# Altium PCB Yun75.PcbDoc (part 3 of 3)
Units mm, origin at the board's own origin, x right, y up, seen from the top; angles counter-clockwise.
Board outline 323.85 x 152.5 mm, 2 copper layers (Top Layer, Bottom Layer); 403 components, 242 nets, 1450 pads, 87 vias.
Unrouted connection lines stored in the file: 215.
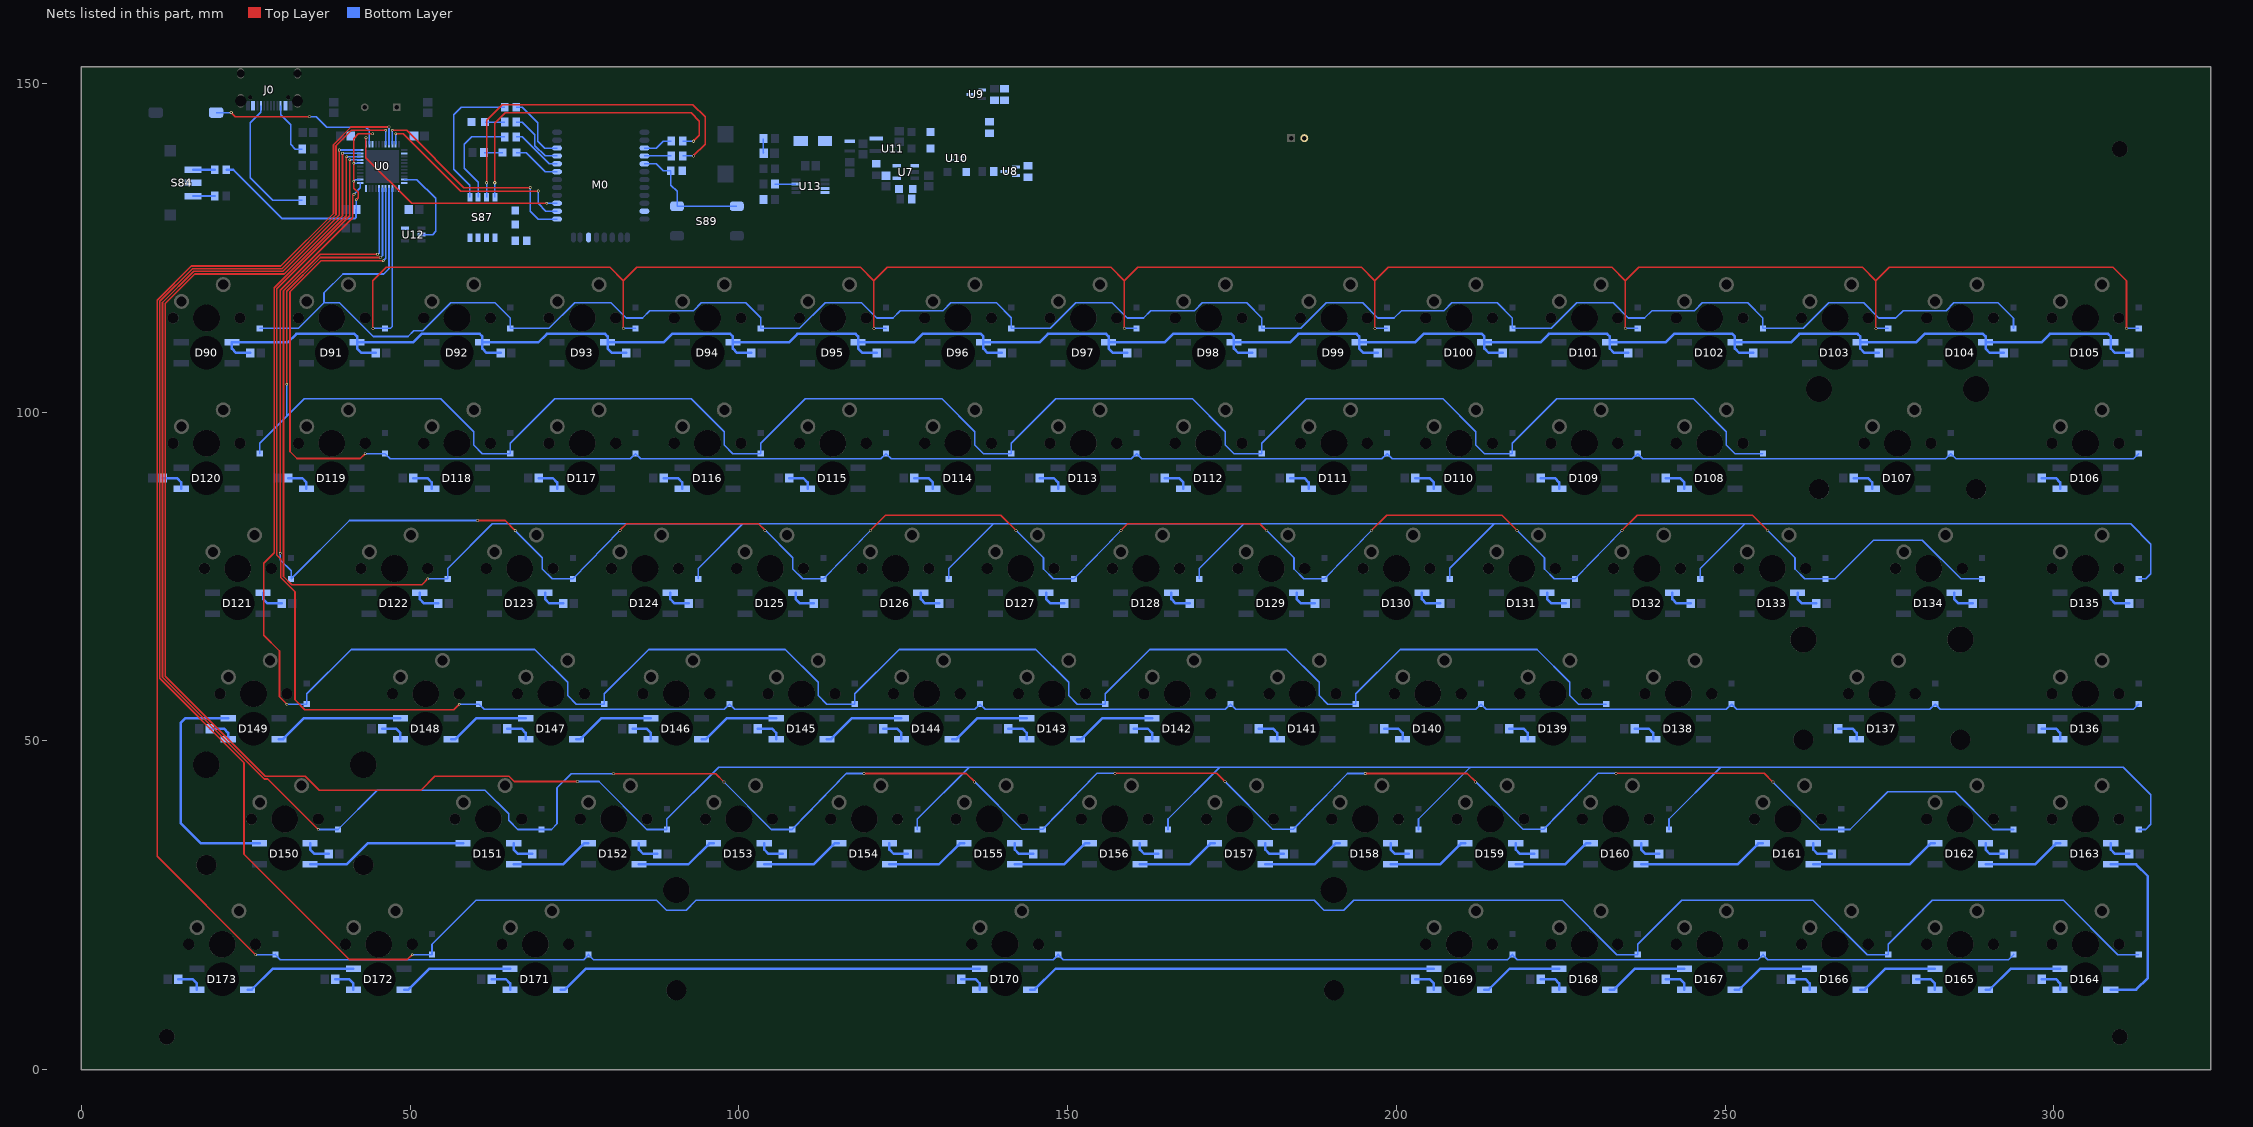
[diagram p3: the nets of this part, all layers, seen from the top]

## Via types
v1: diameter 0.45, hole 0.3, Top Layer to Bottom Layer, 30 vias
v2: diameter 0.4, hole 0.25, Top Layer to Bottom Layer, 24 vias
v3: diameter 0.508, hole 0.254, Top Layer to Bottom Layer, 10 vias
v4: diameter 0.559, hole 0.381, Top Layer to Bottom Layer, 10 vias
v5: diameter 0.4, hole 0.275, Top Layer to Bottom Layer, 10 vias
v6: diameter 1.5, hole 1, Top Layer to Bottom Layer, 3 vias

## Nets (pads, with @x,y where several pads share a name; then routed paths per layer and width w, separated by ;. In a path a pad name is that pad's centre, name@x,y a point inside that pad or via, vN(x,y) a via of type N, cw(c..) or ccw(c..) an arc to the next point about the centre after c; other vN are vias at no path point) (continued)
NetD142_2: D142.2 D143.4 | length 12.7
  Bottom Layer w0.381: D143.4@151.488,50.25 152.138,50.25 155.338,53.45 D142.2@162.838,53.45
NetD143_2: D143.2 D144.4 | length 12.7
  Bottom Layer w0.381: D144.4@132.438,50.25 133.088,50.25 136.288,53.45 D143.2@143.788,53.45
NetD144_2: D144.2 D145.4 | length 12.7
  Bottom Layer w0.381: D145.4@113.388,50.25 114.038,50.25 117.238,53.45 D144.2@124.738,53.45
NetD145_2: D145.2 D146.4 | length 12.7
  Bottom Layer w0.381: D146.4@94.338,50.25 94.988,50.25 98.188,53.45 D145.2@105.688,53.45
NetD146_2: D146.2 D147.4 | length 12.7
  Bottom Layer w0.381: D147.4@75.288,50.25 75.938,50.25 79.138,53.45 D146.2@86.638,53.45
NetD147_2: D147.2 D148.4 | length 12.7
  Bottom Layer w0.381: D148.4@56.238,50.25 56.888,50.25 60.088,53.45 D147.2@67.588,53.45
NetD148_2: D148.2 D149.4 | length 19.8
  Bottom Layer w0.381: D149.4@30.044,50.25 30.694,50.25 33.894,53.45 D148.2@48.538,53.45
NetD149_2: D149.2 D150.4 | length 36
  Bottom Layer w0.381: D149.2@22.344,53.45 15.85,53.45 15.1,52.7 15.1,37.5 18.2,34.4 D150.4@27.106,34.4
NetD150_2: D150.2 D151.4 | length 24.6
  Bottom Layer w0.381: D150.2@34.806,31.2 40.342,31.2 43.542,34.4 D151.4@58.062,34.4
NetD151_2: D151.2 D152.4 | length 12.7
  Bottom Layer w0.381: D151.2@65.762,31.2 73.262,31.2 76.462,34.4 D152.4@77.112,34.4
NetD152_2: D152.2 D153.4 | length 12.7
  Bottom Layer w0.381: D152.2@84.812,31.2 92.312,31.2 95.512,34.4 D153.4@96.162,34.4
NetD153_2: D153.2 D154.4 | length 12.7
  Bottom Layer w0.381: D153.2@103.862,31.2 111.362,31.2 114.562,34.4 D154.4@115.212,34.4
NetD154_2: D154.2 D155.4 | length 12.7
  Bottom Layer w0.381: D154.2@122.912,31.2 130.412,31.2 133.612,34.4 D155.4@134.262,34.4
NetD155_2: D155.2 D156.4 | length 12.7
  Bottom Layer w0.381: D155.2@141.962,31.2 149.462,31.2 152.662,34.4 D156.4@153.312,34.4
NetD156_2: D156.2 D157.4 | length 12.7
  Bottom Layer w0.381: D156.2@161.012,31.2 168.512,31.2 171.712,34.4 D157.4@172.362,34.4
NetD157_2: D157.2 D158.4 | length 12.7
  Bottom Layer w0.381: D157.2@180.062,31.2 187.562,31.2 190.762,34.4 D158.4@191.412,34.4
NetD158_2: D158.2 D159.4 | length 12.7
  Bottom Layer w0.381: D158.2@199.112,31.2 206.612,31.2 209.812,34.4 D159.4@210.462,34.4
NetD159_2: D159.2 D160.4 | length 12.7
  Bottom Layer w0.381: D159.2@218.162,31.2 225.662,31.2 228.862,34.4 D160.4@229.512,34.4
NetD160_2: D160.2 D161.4 | length 19.8
  Bottom Layer w0.381: D160.2@237.212,31.2 251.856,31.2 255.056,34.4 D161.4@255.706,34.4
NetD161_2: D161.2 D162.4 | length 19.8
  Bottom Layer w0.381: D161.2@263.406,31.2 278.05,31.2 281.25,34.4 D162.4@281.9,34.4
NetD162_2: D162.2 D163.4 | length 12.7
  Bottom Layer w0.381: D162.2@289.6,31.2 297.1,31.2 300.3,34.4 D163.4@300.95,34.4
NetD163_2: D163.2 D164.4 | length 28.2
  Bottom Layer w0.381: D164.4@308.65,12.15 312.5,12.15 314.3,13.95 314.3,29.4 312.5,31.2 D163.2@308.65,31.2
NetD164_2: D164.2 D165.4 | length 12.7
  Bottom Layer w0.381: D165.4@289.6,12.15 290.25,12.15 293.45,15.35 D164.2@300.95,15.35
NetD165_2: D165.2 D166.4 | length 12.7
  Bottom Layer w0.381: D166.4@270.55,12.15 271.2,12.15 274.4,15.35 D165.2@281.9,15.35
NetD166_2: D166.2 D167.4 | length 12.7
  Bottom Layer w0.381: D167.4@251.5,12.15 252.15,12.15 255.35,15.35 D166.2@262.85,15.35
NetD167_2: D167.2 D168.4 | length 12.7
  Bottom Layer w0.381: D168.4@232.45,12.15 233.1,12.15 236.3,15.35 D167.2@243.8,15.35
NetD168_2: D168.2 D169.4 | length 12.7
  Bottom Layer w0.381: D169.4@213.4,12.15 214.05,12.15 217.25,15.35 D168.2@224.75,15.35
NetD169_2: D169.2 D170.4 | length 62.7
  Bottom Layer w0.381: D170.4@144.344,12.15 144.994,12.15 148.194,15.35 D169.2@205.7,15.35
NetD170_2: D170.2 D171.4 | length 65.1
  Bottom Layer w0.381: D171.4@72.906,12.15 73.556,12.15 76.756,15.35 D170.2@136.644,15.35
NetD171_2: D171.2 D172.4 | length 17.4
  Bottom Layer w0.381: D172.4@49.094,12.15 49.744,12.15 52.944,15.35 D171.2@65.206,15.35
NetD172_2: D172.2 D173.4 | length 17.4
  Bottom Layer w0.381: D173.4@25.281,12.15 25.931,12.15 29.131,15.35 D172.2@41.394,15.35
NetD178_2: D178.2 R13.2
NetD179_2: D179.2 R19.2 | length 2.8
  Bottom Layer w0.203: R19.2@61.25,139.45 D179.2@64.075,139.45
NetD180_2: D180.2 R12.2 | length 3
  Bottom Layer w0.203: D180.2@61.425,144.1 R12.2@64.425,144.1
NetD181_2: D181.2 R26.2
NetD184_1: D184.1 U10.1
NetD185_2: D185.2 L1.1 U13.8
NetJ0_3: J0.3 R4.2 | length 21
  Bottom Layer w0.203: J0.3@27.325,146.6 27.325,145.625 25.685,143.985 25.685,135.606 29.091,132.2 R4.2@33.625,132.2
NetJ0_9: J0.9 R5.2 | length 8.6
  Bottom Layer w0.203: J0.9@30.325,146.6 30.325,145.2 31.825,143.7 31.825,140.7 32.525,140 R5.2@33.625,140
NetL0_1: L0.1 U11.2
NetM0_5: M0.5 R18.2 S89.3 S89.4 | length 19.3
  Bottom Layer w0.203: M0.5@85.65,137.75 87.46,137.75 88.51,136.7 R18.2@89.675,136.7 89.675,134.49 90.6,133.565 S89.3@90.6,131.3 S89.4@99.7,131.3
NetR0_2: R0.2 S84.3 | length 3.3
  Bottom Layer w0.305: S84.3@17,132.85 R0.2@20.3,132.85
NetR14_2: R14.2 S87.5 | length 21.8
  Bottom Layer w0.203: S87.5@59.095,132.675 59.095,134.5 56.654,136.941 56.654,145.25 57.754,146.35 R14.2@64.425,146.35
NetR15_2: R15.2 S87.6 | length 15.6
  Bottom Layer w0.203: S87.6@60.365,132.675 60.365,134.935 58.25,137.05 58.25,140.75 59.35,141.85 R15.2@64.425,141.85
NetR16_2: R16.2 S87.7 | length 55
  Top Layer w0.203: v3(61.635,134.85) 61.635,144.385 64,146.75 93,146.75 94.865,144.885 94.865,140.71 v3(93.105,138.95)
  Bottom Layer w0.203: S87.7@61.635,132.675 v3(61.635,134.85) ; R16.2@91.45,138.95 v3(93.105,138.95)
NetR17_2: R17.2 S87.8 | length 48.6
  Top Layer w0.203: v3(62.905,134.85) 62.905,143.905 64.5,145.5 92.75,145.5 94,144.25 94,142.095 v3(93.105,141.2)
  Bottom Layer w0.203: S87.8@62.905,132.675 v3(62.905,134.85) ; R17.2@91.45,141.2 v3(93.105,141.2)
NetR21_1: R21.1 U9.3
NetR21_2: R21.2 R31.1 U8.1
NetR22_2: R22.2 U8.3 U10.4
NetR23_1: R23.1 R24.2 U9.1
NetR25_2: R25.2 U7.5
NetR32_2: R32.2 U13.3 | length 3.2
  Bottom Layer w0.203: R32.2@105.5,134.655 U13.3@108.69,134.655
NetR36_2: R36.2 S84.1 | length 3.3
  Bottom Layer w0.305: S84.1@17,136.85 R36.2@20.3,136.85
NetS84_2: S84.2 U0.33
NetS88_2: S88.2 U0.13 | length 26.6
  Top Layer w0.203: v3(22.8,145.55) 23.404,144.946 v3(34.7,144.946)
  Bottom Layer w0.203: S88.2@20.505,145.55 v3(22.8,145.55) ; v3(34.7,144.946) 35.7,144.946 37.296,143.35 43.3,143.35 43.8,142.85 U0.13@43.8,140.7
PIO2: D179.1 M0.19 | length 7.4
  Bottom Layer w0.203: D179.1@66.175,139.45 67.65,139.45 70.55,136.55 M0.19@72.35,136.55
PIO3: M0.20 R15.1 | length 7.9
  Bottom Layer w0.203: R15.1@66.175,141.85 67.05,141.85 71.15,137.75 M0.20@72.35,137.75
PIO4: M0.22 R14.1 | length 10.4
  Bottom Layer w0.203: R14.1@66.175,146.35 67.05,146.35 69.4,144 69.4,141.2 70.45,140.15 M0.22@72.35,140.15
PIO5: M0.21 R12.1 | length 9.3
  Bottom Layer w0.203: R12.1@66.175,144.1 67.1,144.1 69,142.2 69,140.5 70.55,138.95 M0.21@72.35,138.95
PIO6: M0.3 R17.1 | length 4.5
  Bottom Layer w0.203: M0.3@85.65,140.15 87.46,140.15 88.51,141.2 R17.1@89.7,141.2
PIO7: M0.4 R16.1 | length 4
  Bottom Layer w0.203: M0.4@85.65,138.95 R16.1@89.7,138.95
PIO8: M0.31 R13.1
RGB: U0.32 U12.2 | length 13.3
  Bottom Layer w0.203: U0.32@49.15,135.35 51.053,135.35 53.897,132.506 53.897,127.476 53.421,127 U12.2@51.755,127
Row0: D0.2 D2.2 D4.2 D6.2 D8.2 D10.2 D12.2 D14.2 U0.37 | length 336.6
  Bottom Layer w0.254: D0.2@27.146,112.725 33.04,112.725 36.924,116.609 ; U0.37@46.8,134 46.8,121.775 46.025,121 39.8,121 36.924,118.124 36.924,116.609 ; D14.2@293.821,112.725 D14.2@293.846,112.725 293.846,114.275 291.512,116.609 284.794,116.609 283.605,115.42 281.145,115.42 281.137,115.428 277.075,115.428 275.948,114.3 273.375,114.3 271.066,116.609 265.744,116.609 261.86,112.725 D12.2@255.746,112.725 255.746,114.301 253.438,116.609 246.53,116.609 245.341,115.42 243.045,115.42 243.037,115.428 238.872,115.428 237.744,114.3 235.275,114.3 232.966,116.609 227.424,116.609 223.54,112.725 D10.2@217.646,112.725 217.646,114.301 215.338,116.609 208.43,116.609 207.241,115.42 204.945,115.42 204.937,115.428 200.772,115.428 199.644,114.3 197.175,114.3 194.866,116.609 189.324,116.609 185.44,112.725 D8.2@179.546,112.725 179.546,114.3 177.237,116.609 170.494,116.609 169.305,115.42 166.845,115.42 166.837,115.428 162.672,115.428 161.544,114.3 159.075,114.3 156.766,116.609 151.224,116.609 147.34,112.725 D6.2@141.446,112.725 141.446,114.354 139.191,116.609 132.23,116.609 131.041,115.42 128.745,115.42 128.737,115.428 124.572,115.428 123.444,114.3 120.975,114.3 118.666,116.609 113.124,116.609 109.24,112.725 D4.2@103.346,112.725 103.321,112.725 103.321,114.325 101.037,116.609 94.294,116.609 93.105,115.42 90.645,115.42 90.637,115.428 86.472,115.428 85.344,114.3 82.875,114.3 80.566,116.609 75.024,116.609 71.14,112.725 D2.2@65.246,112.725 65.221,112.725 65.221,114.3 62.912,116.609 56.194,116.609 51.952,112.368 50.556,112.368 49.689,111.5 44.385,111.5 39.276,116.609 36.924,116.609
Row1: D1.2 D3.2 D5.2 D7.2 D9.2 D11.2 D13.2 D15.2 U0.36 | length 373.6
  Top Layer w0.254: v1(44.331,112.725) 44.331,119.969 46.362,122 80.4,122 82.431,119.969 ; v1(82.431,112.725) 82.431,119.969 ; v1(120.531,112.725) 120.531,119.969 ; v1(158.631,112.725) 158.631,119.969 ; v1(196.731,112.725) 196.731,119.969 ; v1(234.831,112.725) 234.831,119.969 ; v1(272.931,112.725) 272.931,119.969 ; v1(311.031,112.725) 311.031,119.969 309,122 274.962,122 272.931,119.969 ; 82.431,119.969 84.462,122 118.5,122 120.531,119.969 ; 120.531,119.969 122.562,122 156.6,122 158.631,119.969 ; 158.631,119.969 160.662,122 194.7,122 196.731,119.969 ; 196.731,119.969 198.762,122 232.8,122 234.831,119.969 ; 234.831,119.969 236.862,122 270.9,122 272.931,119.969
  Bottom Layer w0.254: v1(44.331,112.725) D1.2@46.196,112.725 47.025,112.725 47.3,113 U0.36@47.3,134 ; v1(82.431,112.725) D3.2@84.296,112.725 ; v1(120.531,112.725) D5.2@122.396,112.725 ; v1(158.631,112.725) D7.2@160.496,112.725 ; v1(196.731,112.725) D9.2@198.596,112.725 ; v1(234.831,112.725) D11.2@236.696,112.725 ; v1(272.931,112.725) D13.2@274.796,112.725 ; v1(311.031,112.725) D15.2@312.896,112.725
Row2: D16.2 D18.2 D20.2 D22.2 D24.2 D26.2 D28.2 U0.39 | length 328.6
  Top Layer w0.254: v5(31.25,104.226) 31.25,118.357 36.393,123.5 v2(45.5,123.5)
  Bottom Layer w0.254: D16.2@27.146,93.675 27.146,95.25 31.25,99.354 ; v5(31.25,104.226) 31.25,99.354 ; v2(45.5,123.5) 45.8,123.8 U0.39@45.8,134 ; D22.2@141.446,93.675 137.199,93.675 135.889,94.985 135.889,97 130.889,102 110.096,102 103.346,95.25 D20.2@103.346,93.675 99.1,93.675 97.79,94.985 97.79,97 92.79,102 71.996,102 65.246,95.25 D18.2@65.246,93.675 61,93.675 59.69,94.985 59.69,97 54.69,102 33.896,102 31.25,99.354 ; D22.2@141.446,93.675 141.446,95.25 148.196,102 168.99,102 173.99,97 173.99,94.985 175.3,93.675 D24.2@179.546,93.675 179.546,95.25 186.296,102 207.09,102 212.09,97 212.09,94.985 213.4,93.675 D26.2@217.646,93.675 217.646,95.25 224.396,102 245.19,102 250.19,97 250.19,94.985 251.5,93.675 D28.2@255.746,93.675
Row3: D17.2 D19.2 D21.2 D23.2 D25.2 D27.2 D29.2 D30.2 U0.38 | length 338.1
  Top Layer w0.254: v5@43.135,93.7 43.141,93.7 43.166,93.675 v5(43.18,93.675) 42.446,92.941 32.809,92.941 31.75,94 31.75,118.285 36.465,123 v2(45.909,123)
  Bottom Layer w0.254: v5(43.18,93.675) D17.2@46.196,93.675 46.993,92.878 83.498,92.878 D19.2@84.296,93.675 85.093,92.878 121.598,92.878 D21.2@122.396,93.675 123.193,92.878 159.698,92.878 D23.2@160.496,93.675 161.293,92.878 197.798,92.878 D25.2@198.596,93.675 199.393,92.878 235.898,92.878 D27.2@236.696,93.675 237.493,92.878 283.523,92.878 D29.2@284.321,93.675 285.118,92.878 312.098,92.878 D30.2@312.896,93.675 ; v2(45.909,123) 46.3,123.391 U0.38@46.3,134
Row4: D31.2 D33.2 D35.2 D37.2 D39.2 D41.2 D43.2 D44.2 U0.1 | length 379.6
  Top Layer w0.254: v5(30.25,78.5) 30.25,118.5 41.3,129.55 41.3,132.955 v2(41.474,133.129) ; v1(60.275,83.5) 64.455,83.5 v1(66,81.955) ; v1(81.915,82) 82.915,83 103,83 v1(104,82) ; v1(120.015,82) 122.315,84.3 139.855,84.3 v1(142.155,82) ; v1(158.115,82) 159.115,83 179.2,83 v1@180.2,82 ; v1(196.215,82) 198.515,84.3 216.055,84.3 v1(218.355,82) ; v1(234.315,82) 236.615,84.3 254.155,84.3 v1(256.455,82)
  Bottom Layer w0.254: v5(30.25,78.5) 30.25,77.5 31.908,75.842 D31.2@31.908,74.625 40.783,83.5 v1(60.275,83.5) ; v2(41.474,133.129) 41.474,133.114 42.45,134.089 U0.1@42.45,134.85 ; v1(66,81.955) 70.125,77.83 70.125,76.13 71.63,74.625 D33.2@74.771,74.625 v1(81.915,82) ; v1(104,82) 104.055,82 108.225,77.83 108.225,76.13 109.73,74.625 D35.2@112.871,74.625 v1(120.015,82) ; v1(142.155,82) 146.325,77.83 146.325,76.13 147.83,74.625 D37.2@150.971,74.625 v1(158.115,82) ; v1(180.255,82) 184.425,77.83 184.425,76.13 185.93,74.625 D39.2@189.071,74.625 v1(196.215,82) ; v1(218.355,82) 222.525,77.83 222.525,76.13 224.03,74.625 D41.2@227.171,74.625 v1(234.315,82) ; v1(256.455,82) 260.625,77.83 260.625,76.13 262.13,74.625 D43.2@265.271,74.625 266.7,74.625 272.575,80.5 280,80.5 285.875,74.625 D44.2@289.084,74.625
Row5: D32.2 D34.2 D36.2 D38.2 D40.2 D42.2 D45.2 U0.40 | length 423.4
  Top Layer w0.254: v2(45.043,124) 36.322,124 30.75,118.428 30.75,75 32,73.75 51.83,73.75 v5(52.705,74.625) 52.691,74.625 52.666,74.65 v5@52.66,74.65
  Bottom Layer w0.254: v2(45.043,124) 45.053,124.01 45.136,124.01 45.3,124.174 U0.40@45.3,134 ; v5(52.705,74.625) D32.2@55.721,74.625 55.721,76.2 62.521,83 100.621,83 ; D34.2@93.821,74.625 93.821,76.2 100.621,83 ; D36.2@131.921,74.625 131.921,76.2 138.721,83 ; D38.2@170.021,74.625 170.021,76.2 176.821,83 ; D40.2@208.121,74.625 208.121,76.225 214.896,83 ; D42.2@246.221,74.625 246.221,76.2 253,82.979 253,83 ; D45.2@312.896,74.625 313.956,74.625 314.75,75.419 314.75,79.919 311.669,83 253,83 ; 100.621,83 138.721,83 ; 138.721,83 176.821,83 ; 176.821,83 214.896,83 ; 214.896,83 253,83
Row6: D46.2 D48.2 D50.2 D52.2 D54.2 D56.2 U0.9 | length 337.7
  Top Layer w0.254: v5(31.274,55.575) 31.26,55.575 31.235,55.6 31.228,55.6 30.146,56.683 30.146,60.162 30.154,60.17 30.154,63.65 27.765,66.039 27.765,77.015 29.346,78.596 29.346,118.917 40.3,129.871 40.3,138.686 40.319,138.705 40.319,138.819 v2(40.35,138.85)
  Bottom Layer w0.254: v5(31.274,55.575) D46.2@34.29,55.575 34.29,57.15 41.04,63.9 68.978,63.9 73.978,58.9 73.978,56.885 75.288,55.575 D48.2@79.534,55.575 79.534,57.15 86.284,63.9 107.078,63.9 112.078,58.9 112.078,56.885 113.388,55.575 D50.2@117.634,55.575 117.634,57.15 124.384,63.9 145.178,63.9 150.178,58.9 150.178,56.885 151.488,55.575 155.734,55.575 155.734,57.15 162.484,63.9 183.278,63.9 188.278,58.9 188.278,56.885 189.588,55.575 193.834,55.575 193.834,57.15 200.584,63.9 221.378,63.9 226.378,58.9 226.378,56.885 227.688,55.575 D56.2@231.934,55.575 ; v2(40.35,138.85) U0.9@42.45,138.85
Row7: D47.2 D49.2 D51.2 D53.2 D55.2 D57.2 D58.2 D59.2 U0.8 | length 375.4
  Top Layer w0.254: v2(40.85,138.35) 40.85,129.85 29.75,118.75 29.75,78.25 30.346,77.654 30.346,74.833 32.5,72.679 32.5,56.25 34,54.75 56.643,54.75 v5(57.468,55.575)
  Bottom Layer w0.254: v2(40.85,138.35) U0.8@42.45,138.35 ; v5(57.468,55.575) D47.2@60.484,55.575 61.282,54.778 97.787,54.778 D49.2@98.584,55.575 99.382,54.778 135.887,54.778 D51.2@136.684,55.575 137.482,54.778 173.987,54.778 D53.2@174.784,55.575 175.582,54.778 212.087,54.778 D55.2@212.884,55.575 213.682,54.778 250.187,54.778 D57.2@250.984,55.575 251.782,54.778 281.143,54.778 D58.2@281.94,55.575 282.737,54.778 312.098,54.778 D59.2@312.896,55.575
Row8: D60.2 D61.2 D63.2 D65.2 D67.2 D69.2 D71.2 D72.2 U0.11 | length 442.4
  Top Layer w0.254: v5(36.036,36.525) 36.022,36.525 35.997,36.55 35.991,36.55 28.345,44.196 27.81,44.196 12.346,59.66 12.346,116.667 17.083,121.404 30.69,121.404 39.25,129.964 39.25,139.149 ; 39.25,139.149 39.25,139.848 v2(39.252,139.85) ; v1(80.962,45) 96.481,45 v1(97.75,43.731) ; v1(119.071,45.025) 134.59,45.025 v1(135.859,43.756) ; v1(157.18,45.05) 172.699,45.05 v1(173.968,43.781) ; v1(195.271,45.025) 210.79,45.025 v1(212.059,43.756) ; v1(233.38,45.05) 255.931,45.05 v1(257.25,43.731)
  Bottom Layer w0.254: v5(36.036,36.525) D60.2@39.052,36.525 45.027,42.5 61.4,42.5 65,38.9 65,37.925 66.4,36.525 D61.2@70.009,36.525 71.5,36.525 72.35,37.375 72.35,42.85 74.5,45 v1(80.962,45) ; v2(39.252,139.85) U0.11@42.45,139.85 ; v1(97.75,43.731) 104.956,36.525 D63.2@108.109,36.525 ; D63.2@108.118,36.55 116.359,45.025 v1(119.071,45.025) ; v1(135.859,43.756) 143.065,36.55 D65.2@146.218,36.55 ; D65.2@146.227,36.575 154.468,45.05 v1(157.18,45.05) ; v1(173.968,43.781) 181.174,36.575 D67.2@184.327,36.575 ; D67.2@184.318,36.55 192.559,45.025 v1(195.271,45.025) ; v1(212.059,43.756) 219.265,36.55 D69.2@222.418,36.55 ; D69.2@222.427,36.575 230.668,45.05 v1(233.38,45.05) ; v1(257.25,43.731) 264.456,36.525 D71.2@267.652,36.525 269,36.525 274.725,42.25 285,42.25 290.725,36.525 D72.2@293.847,36.525
Row9: D62.2 D64.2 D66.2 D68.2 D70.2 D73.2 U0.10 | length 479
  Top Layer w0.254: v2(39.734,139.35) 39.734,129.877 30.857,121 17.25,121 12.75,116.5 12.75,59.827 27.977,44.6 34.084,44.6 36.184,42.5 51.655,42.5 53.755,44.6 65.04,44.6 65.834,43.807 v5(75.476,43.807)
  Bottom Layer w0.254: v2(39.734,139.35) U0.10@42.45,139.35 ; v5(75.476,43.807) 78.74,43.807 86.022,36.525 D62.2@89.059,36.525 89.059,38.1 96.959,46 135.059,46 ; D64.2@127.159,36.525 127.159,38.1 135.059,46 ; D66.2@165.259,36.525 165.259,38.1 173.159,46 ; D68.2@203.359,36.525 203.359,38.1 211.2,45.941 211.2,46 ; D70.2@241.459,36.525 241.459,38.1 249.359,46 ; D73.2@312.896,36.525 313.956,36.525 314.75,37.319 314.75,41.819 310.569,46 249.359,46 ; 135.059,46 173.159,46 ; 173.159,46 211.2,46 ; 211.2,46 249.359,46
Row10: D74.2 D76.2 D77.2 D78.2 D80.2 D82.2 U0.19 | length 431.7
  Top Layer w0.254: v5(26.511,17.475) 26.497,17.475 26.472,17.5 26.466,17.5 11.538,32.428 11.538,117.002 16.748,122.212 30.355,122.212 38.346,130.203 38.346,140.667 41.029,143.35 v2(46.8,143.35)
  Bottom Layer w0.254: v5(26.511,17.475) D74.2@29.527,17.475 ; D74.2@29.481,17.521 D74.2@29.527,17.475 ; U0.19@46.8,140.7 v2(46.8,143.35) ; D76.2@77.106,17.521 D76.2@77.152,17.475 ; D76.2@77.198,17.521 D76.2@77.152,17.475 ; D77.2@148.545,17.521 D77.2@148.591,17.475 ; D77.2@148.637,17.521 D77.2@148.591,17.475 ; D78.2@217.601,17.521 D78.2@217.647,17.475 ; D78.2@217.693,17.521 D78.2@217.647,17.475 ; D80.2@255.793,17.521 D80.2@255.747,17.475 ; D82.2@293.892,17.521 D82.2@293.846,17.475 293.094,16.723 256.499,16.723 D80.2@255.747,17.475 ; D74.2@29.527,17.475 30.278,16.723 76.4,16.723 D76.2@77.152,17.475 ; D76.2@77.152,17.475 77.903,16.723 147.84,16.723 D77.2@148.591,17.475 ; D77.2@148.591,17.475 149.343,16.723 216.896,16.723 D78.2@217.647,17.475 ; D78.2@217.647,17.475 218.399,16.723 254.996,16.723 D80.2@255.747,17.475
Row11: D75.2 D79.2 D81.2 D83.2 U0.18 | length 463.7
  Top Layer w0.254: v2(46.3,142.85) 41.1,142.85 38.75,140.5 38.75,130.035 30.523,121.808 16.915,121.808 11.942,116.835 11.942,59.492 24.75,46.684 24.75,38.569 24.748,38.567 24.748,32.752 40.759,16.741 49.59,16.741 v5(50.324,17.475)
  Bottom Layer w0.254: U0.18@46.3,140.7 v2(46.3,142.85) ; v5(50.324,17.475) D75.2@53.34,17.475 53.34,19.05 60.04,25.75 87.493,25.75 88.993,24.25 91.993,24.25 93.493,25.75 187.5,25.75 189,24.25 192,24.25 193.5,25.75 225.255,25.75 233.53,17.475 D79.2@236.696,17.475 236.695,19.05 243.395,25.75 263.355,25.75 271.63,17.475 D81.2@274.796,17.475 274.796,19.05 281.496,25.75 301.455,25.75 309.73,17.475 D83.2@312.896,17.475
RTS: M0.15 U0.12 | length 36
  Top Layer w0.203: v2(43.3,141.725) 43.3,138.686 50.236,131.75 v2(70.8,131.75)
  Bottom Layer w0.203: U0.12@43.3,140.7 v2(43.3,141.725) ; v2(70.8,131.75) M0.15@72.35,131.75
RXD: M0.13 U0.20 | length 34.9
  Top Layer w0.203: v2(47.3,142.85) 49.489,142.85 58.189,134.15 v2(68.275,134.15)
  Bottom Layer w0.203: U0.20@47.3,140.7 v2(47.3,142.85) ; v2(68.275,134.15) 68.275,130.55 69.475,129.35 M0.13@72.35,129.35
TXD: M0.14 U0.21 | length 32.1
  Top Layer w0.203: v2(47.8,142.3) 49,142.3 57.689,133.611 v2(69.475,133.611)
  Bottom Layer w0.203: U0.21@47.8,140.7 v2(47.8,142.3) ; v2(69.475,133.611) 69.475,131.75 70.675,130.55 M0.14@72.35,130.55
VBAT: D182.2 J1.2 R31.2 U8.2 U10.3
VDD: C1.2 C2.2 C3.2 C4.2 C17.2 C18.2 C19.2 C20.2 C21.2 C22.2 C23.2 C24.2 C25.2 C26.2 C27.2 C28.2 C29.2 C30.2 C31.2 C32.2 C33.2 C34.2 C35.2 C36.2 C37.2 C38.2 C39.2 C40.2 C41.2 C42.2 C43.2 C44.2 C45.2 C46.2 C47.2 C48.2 C49.2 C50.2 C51.2 C52.2 C53.2 C54.2 C55.2 C56.2 C57.2 C58.2 C59.2 C60.2 C61.2 C62.2 C63.2 C64.2 C65.2 C66.2 C67.2 C68.2 C69.2 C70.2 C71.2 C72.2 C73.2 C74.2 C75.2 C76.2 C77.2 C78.2 C79.2 C80.2 C81.2 C82.2 C83.2 C84.2 C85.2 C86.2 C87.2 C88.2 C89.2 C90.2 C91.2 C92.2 C93.2 C94.2 C95.2 C96.2 C97.2 C98.2 C99.2 C100.2 C114.2 D90.1 D91.1 D92.1 D93.1 D94.1 D95.1 D96.1 D97.1 D98.1 D99.1 D100.1 D101.1 D102.1 D103.1 D104.1 D105.1 D106.1 D107.1 D108.1 D109.1 D110.1 D111.1 D112.1 D113.1 D114.1 D115.1 D116.1 D117.1 D118.1 D119.1 D120.1 D121.1 D122.1 D123.1 D124.1 D125.1 D126.1 D127.1 D128.1 D129.1 D130.1 D131.1 D132.1 D133.1 D134.1 D135.1 D136.1 D137.1 D138.1 D139.1 D140.1 D141.1 D142.1 D143.1 D144.1 D145.1 D146.1 D147.1 D148.1 D149.1 D150.1 D151.1 D152.1 D153.1 D154.1 D155.1 D156.1 D157.1 D158.1 D159.1 D160.1 D161.1 D162.1 D163.1 D164.1 D165.1 D166.1 D167.1 D168.1 D169.1 D170.1 D171.1 D172.1 D173.1 D178.1 D180.1 D185.1 M0.11 R18.1 R33.2 R34.2 R36.1 S87.1 S87.2 S87.3 S87.4 U0.2 U0.7 U0.14 U0.24 U0.34 U0.44 U12.5 U13.7 | length 690.3
  Top Layer w0.203: v2(41.8,132.3) 42.1,132.6 42.1,133.4 41.44,134.06 v2(41.44,135.1) v2(41.44,137.85) 41.44,141.59 42.15,142.3 v2(44.3,142.3)
  Bottom Layer w0.203: v2(41.44,135.1) 41.69,135.35 U0.2@42.45,135.35 ; v2(41.44,137.85) U0.7@42.45,137.85 ; C2.2@41.8,130.8 v2(41.8,132.3) ; R34.2@103.75,141.59 103.75,139.43 C114.2@103.825,139.355
  Bottom Layer w0.305: R36.1@22.05,136.85 23.13,136.85 30.58,129.4 41.6,129.4 41.8,129.6 C2.2@41.8,130.8
  Bottom Layer w0.381: C47.2@12.4,89.95 14.55,89.95 15.2,89.3 D120.1@15.2,88.35 ; C100.2@14.781,13.75 16.931,13.75 17.581,13.1 D173.1@17.581,12.15 ; C76.2@19.544,51.85 21.694,51.85 22.344,51.2 D149.1@22.344,50.25 ; C17.2@25.7,109 23.55,109 22.9,109.65 D90.1@22.9,110.6 31.4,110.6 32.7,111.9 41.55,111.9 41.95,111.5 D91.1@41.95,110.6 ; D121.1@27.662,72.5 27.662,71.55 28.312,70.9 C48.2@30.462,70.9 ; C46.2@31.45,89.95 33.6,89.95 34.25,89.3 D119.1@34.25,88.35 ; D150.1@34.806,34.4 34.806,33.45 35.456,32.8 C77.2@37.606,32.8 ; C99.2@38.594,13.75 40.744,13.75 41.394,13.1 D172.1@41.394,12.15 ; C18.2@44.75,109 42.6,109 41.95,109.65 D91.1@41.95,110.6 ; C75.2@45.738,51.85 47.888,51.85 48.538,51.2 D148.1@48.538,50.25 ; C45.2@50.5,89.95 52.65,89.95 53.3,89.3 D118.1@53.3,88.35 ; D122.1@51.475,72.5 51.475,71.55 52.125,70.9 C49.2@54.275,70.9 ; C98.2@62.406,13.75 64.556,13.75 65.206,13.1 D171.1@65.206,12.15 ; C19.2@63.8,109 61.65,109 61,109.65 D92.1@61,110.6 ; C74.2@64.788,51.85 66.938,51.85 67.588,51.2 D147.1@67.588,50.25 ; D151.1@65.762,34.4 65.762,33.45 66.412,32.8 C78.2@68.562,32.8 ; C44.2@69.55,89.95 71.7,89.95 72.35,89.3 D117.1@72.35,88.35 ; D123.1@70.525,72.5 70.525,71.55 71.175,70.9 C50.2@73.325,70.9 ; C20.2@82.85,109 80.7,109 80.05,109.65 D93.1@80.05,110.6 ; C73.2@83.838,51.85 85.988,51.85 86.638,51.2 D146.1@86.638,50.25 ; D152.1@84.812,34.4 84.812,33.45 85.462,32.8 C79.2@87.612,32.8 ; C43.2@88.6,89.95 90.75,89.95 91.4,89.3 D116.1@91.4,88.35 ; D124.1@89.575,72.5 89.575,71.55 90.225,70.9 C51.2@92.375,70.9 ; C21.2@101.9,109 99.75,109 99.1,109.65 D94.1@99.1,110.6 ; C72.2@102.888,51.85 105.038,51.85 105.688,51.2 D145.1@105.688,50.25 ; D153.1@103.862,34.4 103.862,33.45 104.512,32.8 C80.2@106.662,32.8 ; C42.2@107.65,89.95 109.8,89.95 110.45,89.3 D115.1@110.45,88.35 ; D125.1@108.625,72.5 108.625,71.55 109.275,70.9 C52.2@111.425,70.9 ; C22.2@120.95,109 118.8,109 118.15,109.65 D95.1@118.15,110.6 ; C71.2@121.938,51.85 124.088,51.85 124.738,51.2 D144.1@124.738,50.25 ; D154.1@122.912,34.4 122.912,33.45 123.562,32.8 C81.2@125.712,32.8 ; C41.2@126.7,89.95 128.85,89.95 129.5,89.3 D114.1@129.5,88.35 ; D126.1@127.675,72.5 127.675,71.55 128.325,70.9 C53.2@130.475,70.9 ; C97.2@133.844,13.75 135.994,13.75 136.644,13.1 D170.1@136.644,12.15 ; C23.2@140,109 137.85,109 137.2,109.65 D96.1@137.2,110.6 ; C70.2@140.988,51.85 143.138,51.85 143.788,51.2 D143.1@143.788,50.25 ; D155.1@141.962,34.4 141.962,33.45 142.612,32.8 C82.2@144.762,32.8 ; C40.2@145.75,89.95 147.9,89.95 148.55,89.3 D113.1@148.55,88.35 ; D127.1@146.725,72.5 146.725,71.55 147.375,70.9 C54.2@149.525,70.9 ; C24.2@159.05,109 156.9,109 156.25,109.65 D97.1@156.25,110.6 ; C69.2@160.038,51.85 162.188,51.85 162.838,51.2 D142.1@162.838,50.25 ; D156.1@161.012,34.4 161.012,33.45 161.662,32.8 C83.2@163.812,32.8 ; C39.2@164.8,89.95 166.95,89.95 167.6,89.3 D112.1@167.6,88.35 ; D128.1@165.775,72.5 165.775,71.55 166.425,70.9 C55.2@168.575,70.9 ; C25.2@178.1,109 175.95,109 175.3,109.65 D98.1@175.3,110.6 ; C68.2@179.088,51.85 181.238,51.85 181.888,51.2 D141.1@181.888,50.25 ; D157.1@180.062,34.4 180.062,33.45 180.712,32.8 C84.2@182.862,32.8 ; C38.2@183.85,89.95 186,89.95 186.65,89.3 D111.1@186.65,88.35 ; D129.1@184.825,72.5 184.825,71.55 185.475,70.9 C56.2@187.625,70.9 ; C26.2@197.15,109 195,109 194.35,109.65 D99.1@194.35,110.6 ; C67.2@198.138,51.85 200.288,51.85 200.938,51.2 D140.1@200.938,50.25 ; D158.1@199.112,34.4 199.112,33.45 199.762,32.8 C85.2@201.912,32.8 ; C96.2@202.9,13.75 205.05,13.75 205.7,13.1 D169.1@205.7,12.15 ; C37.2@202.9,89.95 205.05,89.95 205.7,89.3 D110.1@205.7,88.35 ; D130.1@203.875,72.5 203.875,71.55 204.525,70.9 C57.2@206.675,70.9 ; C27.2@216.2,109 214.05,109 213.4,109.65 D100.1@213.4,110.6 ; C66.2@217.188,51.85 219.338,51.85 219.988,51.2 D139.1@219.988,50.25 ; D159.1@218.162,34.4 218.162,33.45 218.812,32.8 C86.2@220.962,32.8 ; C95.2@221.95,13.75 224.1,13.75 224.75,13.1 D168.1@224.75,12.15 ; C36.2@221.95,89.95 224.1,89.95 224.75,89.3 D109.1@224.75,88.35 ; D131.1@222.925,72.5 222.925,71.55 223.575,70.9 C58.2@225.725,70.9 ; C28.2@235.25,109 233.1,109 232.45,109.65 D101.1@232.45,110.6 ; C65.2@236.238,51.85 238.388,51.85 239.038,51.2 D138.1@239.038,50.25 ; D160.1@237.212,34.4 237.212,33.45 237.862,32.8 C87.2@240.012,32.8 ; C94.2@241,13.75 243.15,13.75 243.8,13.1 D167.1@243.8,12.15 ; C35.2@241,89.95 243.15,89.95 243.8,89.3 D108.1@243.8,88.35 ; D132.1@241.975,72.5 241.975,71.55 242.625,70.9 C59.2@244.775,70.9 ; C29.2@254.3,109 252.15,109 251.5,109.65 D102.1@251.5,110.6 ; C93.2@260.05,13.75 262.2,13.75 262.85,13.1 D166.1@262.85,12.15 ; D133.1@261.025,72.5 261.025,71.55 261.675,70.9 C60.2@263.825,70.9 ; D161.1@263.406,34.4 263.406,33.45 264.056,32.8 C88.2@266.206,32.8 ; C64.2@267.194,51.85 269.344,51.85 269.994,51.2 D137.1@269.994,50.25 ; C34.2@269.575,89.95 271.725,89.95 272.375,89.3 D107.1@272.375,88.35 ; D103.1@270.55,110.6 270.55,111.5 270.15,111.9 261.3,111.9 260,110.6 D102.1@251.5,110.6 ; C30.2@273.35,109 271.2,109 270.55,109.65 D103.1@270.55,110.6 279.05,110.6 280.35,111.9 289.2,111.9 289.6,111.5 D104.1@289.6,110.6 ; C92.2@279.1,13.75 281.25,13.75 281.9,13.1 D165.1@281.9,12.15 ; D134.1@284.838,72.5 284.838,71.55 285.488,70.9 C61.2@287.638,70.9 ; D162.1@289.6,34.4 289.6,33.45 290.25,32.8 C89.2@292.4,32.8 ; C31.2@292.4,109 290.25,109 289.6,109.65 D104.1@289.6,110.6 298.1,110.6 299.4,111.9 308.25,111.9 308.65,111.5 D105.1@308.65,110.6 308.65,109.65 309.3,109 C32.2@311.45,109 ; C91.2@298.15,13.75 300.3,13.75 300.95,13.1 D164.1@300.95,12.15 ; C63.2@298.15,51.85 300.3,51.85 300.95,51.2 D136.1@300.95,50.25 ; C33.2@298.15,89.95 300.3,89.95 300.95,89.3 D106.1@300.95,88.35 ; D163.1@308.65,34.4 308.65,33.45 309.3,32.8 C90.2@311.45,32.8 ; D135.1@308.65,72.5 308.65,71.55 309.3,70.9 C62.2@311.45,70.9 ; D91.1@41.95,110.6 50.45,110.6 51.75,111.9 60.6,111.9 61,111.5 D92.1@61,110.6 ; D92.1@61,110.6 69.5,110.6 70.8,111.9 79.65,111.9 80.05,111.5 D93.1@80.05,110.6 ; D93.1@80.05,110.6 88.55,110.6 89.85,111.9 98.7,111.9 99.1,111.5 D94.1@99.1,110.6 ; D94.1@99.1,110.6 107.6,110.6 108.9,111.9 117.75,111.9 118.15,111.5 D95.1@118.15,110.6 ; D95.1@118.15,110.6 126.65,110.6 127.95,111.9 136.8,111.9 137.2,111.5 D96.1@137.2,110.6 ; D96.1@137.2,110.6 145.7,110.6 147,111.9 155.85,111.9 156.25,111.5 D97.1@156.25,110.6 ; D97.1@156.25,110.6 164.75,110.6 166.05,111.9 174.9,111.9 175.3,111.5 D98.1@175.3,110.6 ; D98.1@175.3,110.6 183.8,110.6 185.1,111.9 193.95,111.9 194.35,111.5 D99.1@194.35,110.6 ; D99.1@194.35,110.6 202.85,110.6 204.15,111.9 213,111.9 213.4,111.5 D100.1@213.4,110.6 ; D100.1@213.4,110.6 221.9,110.6 223.2,111.9 232.05,111.9 232.45,111.5 D101.1@232.45,110.6 ; D101.1@232.45,110.6 240.95,110.6 242.25,111.9 251.1,111.9 251.5,111.5 D102.1@251.5,110.6
VUSB: C107.2 D181.1 D183.1 J0.1 J0.10 R23.2 U7.1 U7.4
pads on no net: D90. D91. D92. D93. D94. D95. D96. D97. D98. D99. D100. D101. D102. D103. D104. D105. D106. D107. D108. D109. D110. D111. D112. D113. D114. D115. D116. D117. D118. D119. D120. D121. D122. D123. D124. D125. D126. D127. D128. D129. D130. D131. D132. D133. D134. D135. D136. D137. D138. D139. D140. D141. D142. D143. D144. D145. D146. D147. D148. D149. D150. D151. D152. D153. D154. D155. D156. D157. D158. D159. D160. D161. D162. D163. D164. D165. D166. D167. D168. D169. D170. D171. D172. D173. D173.2 J0.2 J0.8 J0.13 M0.2 M0.6 M0.7 M0.8 M0.9 M0.10 M0.17 M0.18 M0.23 M0.24 M0.30 M0.32 M0.33 M0.34 M0.35 S0.2 S0.3 S0.4 S1.2 S1.3 S1.4 S2.2 S2.3 S2.4 S3.2 S3.3 S3.4 S4.2 S4.3 S4.4 S5.2 S5.3 S5.4 S6.2 S6.3 S6.4 S7.2 S7.3 S7.4 S8.2 S8.3 S8.4 S9.2 S9.3 S9.4 S10.2 S10.3 S10.4 S11.2 S11.3 S11.4 S12.2 S12.3 S12.4 S13.2 S13.3 S13.4 S14.2 S14.3 S14.4 S15.2 S15.3 S15.4 S16.2 S16.3 S16.4 S17.2 S17.3 S17.4 S18.2 S18.3 S18.4 S19.2 S19.3 S19.4 S20.2 S20.3 S20.4 S21.2 S21.3 S21.4 S22.2 S22.3 S22.4 S23.2 S23.3 S23.4 S24.2 S24.3 S24.4 S25.2 S25.3 S25.4 S26.2 S26.3 S26.4 S27.2 S27.3 S27.4 S28.2 S28.3 S28.4 S29.2 S29.3 S29.4 S29.5 S29.6 S29.7 S29.8 S30.2 S30.3 S30.4 S31.2 S31.3 S31.4 S32.2 S32.3 S32.4 S33.2 S33.3 S33.4 S34.2 S34.3 S34.4 S35.2 S35.3 S35.4 S36.2 S36.3 S36.4 S37.2 S37.3 S37.4 S38.2 S38.3 S38.4 S39.2 S39.3 S39.4 S40.2 S40.3 S40.4 S41.2 S41.3 S41.4 S42.2 S42.3 S42.4 S43.2 S43.3 S43.4 S44.2 S44.3 S44.4 S45.2 S45.3 S45.4 S46.2 S46.3 S46.4 S47.2 S47.3 S47.4 S48.2 S48.3 S48.4 S49.2 S49.3 S49.4 S50.2 S50.3 S50.4 S51.2 S51.3 S51.4 S52.2 S52.3 S52.4 S53.2 S53.3 S53.4 S54.2 S54.3 S54.4 S55.2 S55.3 S55.4 S56.2 S56.3 S56.4 S57.2 S57.3 S57.4 S58.2 S58.3 S58.4 S58.5 S58.6 S58.7 S58.8 S59.2 S59.3 S59.4 S60.2 S60.3 S60.4 S60.5 S60.6 S60.7 S60.8 S61.2 S61.3 S61.4 S62.2 S62.3 S62.4 S63.2 S63.3 S63.4 S64.2 S64.3 S64.4 S65.2 S65.3 S65.4 S66.2 S66.3 S66.4 S67.2 S67.3 S67.4 S68.2 S68.3 S68.4 S69.2 S69.3 S69.4 S70.2 S70.3 S70.4 S71.2 S71.3 S71.4 S72.2 S72.3 S72.4 S73.2 S73.3 S73.4 S74.2 S74.3 S74.4 S75.2 S75.3 S75.4 S76.2 S76.3 S76.4 S77.2 S77.3 S77.4 S77.5 S77.6 S77.7 S77.8 S78.2 S78.3 S78.4 S79.2 S79.3 S79.4 S80.2 S80.3 S80.4 S81.2 S81.3 S81.4 S82.2 S82.3 S82.4 S83.2 S83.3 S83.4 S84.M U12.1
copper on no net: | length 0

## Polygon pours and split planes (outlines as drawn)
GND on Bottom Layer "Bot_GND" (solid, shelved, pour order 8): 146.5,152.5 146.5,136 156.75,136 156.75,143.5 167.1,143.5 167.1,136 177.35,136 177.35,152.5 323.85,152.5 323.85,0 0,0 0,152.5
VDD on Bottom Layer "Bot_VDD" (solid, shelved, pour order 2): 39.8,143.35 51.8,143.35 51.8,131.35 39.8,131.35
GND on Top Layer "Top_GND" (solid, shelved, pour order 6): 146.5,152.5 146.5,136 156.75,136 156.75,143.5 167.1,143.5 167.1,136 177.35,136 177.35,152.5 323.85,152.5 323.85,0 0,0 0,152.5
VDD on Top Layer "Top_VDD" (solid, shelved, pour order 0): 39.8,143.35 51.8,143.35 51.8,131.35 39.8,131.35

## Keep-outs
Keep-Out Layer:
  circle w3: c310,140 r2.85
  circle w3: c13,5 r2.85
  circle w3: c310,5 r2.85

## Silkscreen, mask and mechanical layers (free items; w line width, h text height)
BoardOutline:
  lines w0.25: 146.5,152.5 0,152.5 0,0 323.85,0 323.85,152.5